# Altium PCB Thermostat.PCBDOC (part 4 of 5) (continued)
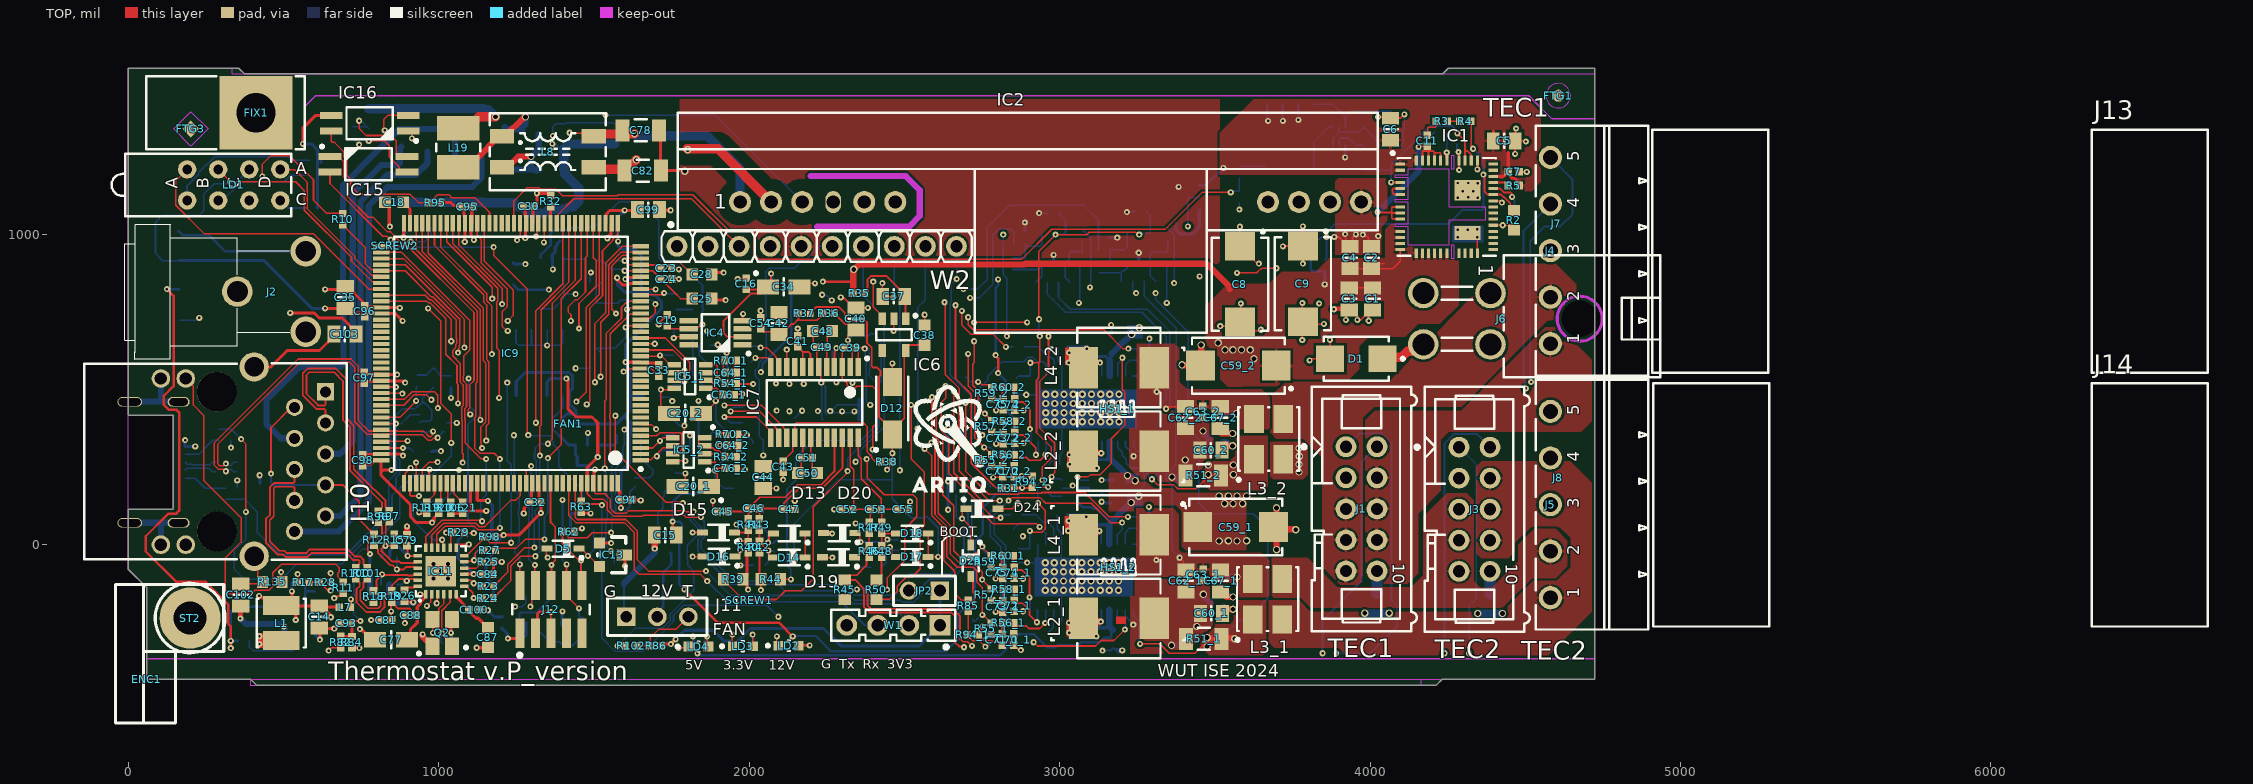
[diagram p0: TOP view]
## Nets (pads, with @x,y where several pads share a name; then routed paths per layer and width w, separated by ;. In a path a pad name is that pad's centre, name@x,y a point inside that pad or via, vN(x,y) a via of type N, cw(c..) or ccw(c..) an arc to the next point about the centre after c; other vN are vias at no path point) (continued)
  TOP w6: R37.2@2195.43,746.08 2195.43,746.86 2214.15,765.59 2290.08,765.59 2307.9,747.77 2307.9,739.45 2326.11,721.23 2374.33,721.23 2379.65,715.92 2379.65,650.03 2394.78,634.89 2394.78,575.28 2399.07,570.99 2411.92,570.99 2422.37,560.54 2422.37,545.76 2417.61,541 2417.61,413.35 D12.1@2460.97,369.98 ; D12.1@2460.97,355.22 D12.1@2460.97,369.98 ; C38.2@2549.3,628.15 C38.2@2565,643.85 2506.05,643.85 2506.05,628.15 IC6.5@2503.79,625.89 2499.49,621.59 2499.49,408.5 D12.1@2460.97,369.98
  BOT w5: v1(2145.67,-40.84) 2145.67,68.85 2286.06,209.24 2460.33,209.24 2460.97,208.6 ; v1(2460.97,295.1) 2460.97,208.6 ; v1(2608.65,-38.91) 2608.65,55.21 2573.61,90.24 2565,90.24 2562.35,87.6 2521.65,87.6 2460.97,148.28 2460.97,208.6
P3V3AVDD: C41.1 C42.1 C54.1 IC7.7 IC7.8 R36.2 R37.1 | length 470.3
  TOP w6: C54.1@2037,695.53 2046.2,686.32 2087.15,686.32 C42.1@2095.53,677.94 C42.1@2102.42,677.94 ; R37.1@2158.42,746.08 2158.42,727.04 ; IC7.8@2172.31,573.05 2172.31,621.78 ; IC7.7@2197.9,573.05 2197.9,613.53 2189.66,621.78 2172.31,621.78 ; R36.2@2238.34,745.38 2238.34,744.6 2217.27,723.52 2161.93,723.52 2158.42,727.04 ; C42.1@2102.42,677.94 2135.81,711.32 2142.7,711.32 2158.42,727.04 ; C42.1@2102.42,677.94 2133.52,646.83 2147.25,646.83 C41.1@2156.45,637.63 2172.31,621.78
P3V3DVDD: C43.1 C44.1 IC7.16 R38.1 | length 587.2
  TOP w5: C44.1@2045.22,252.74 2055.3,262.82 2102.32,262.82 C43.1@2109.21,269.7 2140.36,300.85 2140.36,338.34 IC7.16@2146.71,344.7 2146.71,387.31 2152.65,393.24 2367.18,393.24 2380.66,379.76 2380.66,298.11 2395.34,283.43 2395.34,278.69 2405,269.03 2424.5,269.03 R38.1@2424.5,268.24
P5V0: C1.2 C2.2 C3.2 C4.2 C10.2 C13.2 C26.1 C56_1.2 C56_2.2 C57_1.2 C57_2.2 C58_1.2 C58_2.2 C59_1.1 C59_2.1 C90_1.1 C90_2.1 IC1.12 IC1.13 IC1.14 IC1.15 IC1.16 IC1.17 IC1.18 IC1.19 IC1.20 IC1.21 IC3.4 IC8_1.1 IC8_1.9 IC8_1.11 IC8_1.18 IC8_1.20 IC8_2.1 IC8_2.9 IC8_2.11 IC8_2.18 IC8_2.20 IC10.5 IC14_1.5 IC14_2.5 IC18_1.5 IC18_2.5 R1.2 R35.1 R66.1 R82.1 R105.1 TP10.1 | length 10819.6
  TOP w5: v1(645.43,-340.71) 655.43,-330.71 683.27,-330.71 R82.1@684.05,-331.5 ; v1(2904.02,44.74) 2908,44.74 2912.14,40.6 2942.83,40.6 2952.99,50.76 2952.99,111.74 v1(2930.79,133.94) ; v1(2905.54,586.74) 2932.94,586.74 ; v1(2933.88,726.77) 2932.31,728.35 2932.31,905.67 2932.31,944.67 v1(2986.7,999.06) 3087.67,999.06 3095.71,1007.1 3244.36,1007.1 3252.4,999.06 v1(3256.37,999.06) ; v1(2936,672.24) 2936,589.8 2932.94,586.74 ; v1(2944.41,208.65) 2944.41,250.96 2972.22,278.78 2972.22,315.11 2925.44,361.89 2925.44,530.52 2932.94,538.02 2932.94,586.74 ; C3.2@3934.02,826.06 3935.45,827.5 C1.2@4008.02,827.5 ; C4.2@3947.02,891.06 3948.45,889.63 C2.2@4005.02,889.63 4073.34,889.63 4097.44,913.74 IC1.15@4097.44,950.79 ; C2.2@4016.05,905.67 4045.05,905.67
  TOP w8: v1(124.02,823.82) 145.66,802.17 145.66,511.13 114.86,480.33 114.86,450.67 131.02,434.51 155.4,434.51 163.47,426.45 163.47,110 153.1,99.64 128.07,99.64 56.22,27.79 56.22,-20.96 154.82,-119.57 249.44,-119.57 322,-192.13 322,-254.72 330,-262.72 v1(330,-309.21) v1(330,-332.68) ; v1@1831.09,-352.02 v1(1833.33,-349.78) ; v1(2237.18,847.9) 2334.69,847.9 2335.19,847.4
  TOP w20: R35.1@2335.19,810.2 2335.19,847.4 2335.19,884.6 2336.93,886.33 v3(2336.93,887.31) 2337.91,887.31 2353.74,903.15 2885.75,903.15 2888.27,905.67 2932.31,905.67 3474.01,905.67 3548.18,831.51 3548.18,823.88
  L2 w8: v1(330,-309.21) v1(330,-332.68) 351.95,-354.63 631.52,-354.63 v1(645.43,-340.71) 659.35,-354.63 1799.9,-354.63 1818.69,-335.83 v1(1818.69,-295.08) ; v1(1354.92,822.41) 1410.19,822.41 1414.06,826.27 1466.17,826.27 1486.78,805.66 1584.34,805.66 1585.77,807.09 1626.23,807.09 1627.66,805.66 1654.95,805.66 1690.97,841.68 1761.68,841.68 1766.2,837.16 2172.86,837.16 2196.78,861.09 2219.8,861.09 2230.84,850.05 2230.84,847.94 v1(2237.18,847.9)
  BOT w5: C58_2.2@2859.88,536.13 2867.61,543.86 IC8_2.1@2905.54,543.86 v1(2905.54,586.74) ; C58_1.2@2867.3,-10.72 2868.75,-12.18 2904.02,-12.18 IC8_1.1@2904.02,1.86 v1(2904.02,44.74) ; v1(2930.79,133.94) 2935.83,133.94 2929.85,127.95 2929.85,194.09 v1(2944.41,208.65) ; v1(2933.88,726.77) 2932.31,725.2 2932.31,675.94 v1(2936,672.24) ; v1(2986.7,999.06) 2987.64,1000 IC14_2.5@3017.72,1000 3018.85,1001.13 3018.85,1046.28 3015.92,1049.21 C90_2.1@2996.72,1068.38 ; C56_2.2@3159.77,596.46 3161.45,594.78 ; C57_2.2@3167.45,282.35 3167.45,292.54 ; C57_1.2@3171.38,-270.41 3171.38,-274.26 C57_1.2@3171.95,-274.83 ; 3265.22,1003.94 IC14_1.5@3292.32,1003.94 3292.32,1060.19 C90_1.1@3278.72,1073.8
  BOT w8: v1(124.02,823.82) 125,822.83 TP10.1@164.37,822.83 ; v1(330,-332.68) v1(330,-309.21) ; R105.1@352.62,-308.94 352.35,-309.21 v1(330,-309.21) ; IC3.4@464.57,-198.82 347.34,-198.82 330,-216.16 v1(330,-309.21) ; C26.1@1239.32,838.15 1255.06,822.41 IC10.5@1328.32,822.41 v1(1354.92,822.41) ; v1(1818.69,-295.08) 1821.06,-297.45 R66.1@1821.06,-326.77 1828.48,-334.19 1828.48,-341.77 1833.33,-346.62 v1(1833.33,-349.78) 1836.49,-349.78 1842.34,-355.63 2809.32,-355.63 2840.1,-324.85 ; 2839,-323.76 2839,-294.76 2845.18,-288.58 2917.47,-288.58 2958.79,-329.89 2987.13,-329.89 2993.69,-323.34 3058.9,-323.34 3068.18,-314.05 3129.21,-314.05 3134.48,-308.78 3134.48,-308.63 3144.39,-298.72 3162.76,-298.72 3166.37,-295.11 3166.37,-280.41 C57_1.2@3171.95,-274.83 ; IC18_2.5@3094.31,182.24 3093.31,183.24 3068.18,183.24 3058.9,173.96 3058.9,136.34 3073.63,121.61 3103.04,121.61 3108.75,115.9 3120.68,115.9 3159.93,76.65 C56_1.2@3159.93,65.64 ; R1.2@3809.06,948.03 3809.06,887.01 3814.17,881.89 C10.2@3853.88,881.89
  BOT w10: IC8_1.20@3108.75,-209.17 3108.75,-251.5 3124.14,-266.9 3152.68,-266.9 C57_1.2@3159.93,-259.65 ; IC8_1.9@3108.75,1.86 3108.52,2.09 3108.52,53.16 3120.14,64.79 3147.92,64.79 C56_1.2@3153.01,59.7 ; IC8_2.20@3110.27,332.83 3110.27,290.5 3125.66,275.1 3154.2,275.1 3161.45,282.35 C57_2.2@3167.45,282.35 ; IC8_2.9@3110.27,543.86 3110.04,544.09 3110.04,595.16 3121.66,606.79 3149.44,606.79 3159.77,596.46 C56_2.2@3162.71,596.46 ; v1(3853.88,839.02) C10.2@3853.88,881.89
  BOT w20: v3@2336.86,887.39 v3(2336.93,887.31) v3@2337,887.24 ; IC8_1.18@3159.93,-209.17 3159.93,-259.65 3159.93,-262.82 C57_1.2@3171.38,-274.26 ; IC8_1.11@3159.93,1.86 C56_1.2@3159.93,65.64 ; IC8_2.18@3161.45,332.83 3161.45,282.35 3161.45,279.65 3201.23,239.86 3201.71,239.86 v3(3218.76,222.81) ; IC8_2.11@3161.45,543.86 3161.45,594.78 ; C56_1.2@3165.93,73.41 3207.14,114.63 3208.55,114.63 3216.53,122.6 3216.8,122.6 v3(3230.34,136.15) 3243.88,149.69 ; C56_2.2@3167.45,613.64 3167.45,615.41 3208.66,656.63 3210.07,656.63 3218.05,664.6 3218.32,664.6 v3(3231.86,678.15) 3245.4,691.69
  other v3: 3513.78,12.35 3571.32,12.35 3543.31,13.24 3602.36,13.24 3531.35,132.76 3558.64,132.76 3589.43,132.76 3254.85,156.82 3513.78,156.82 3543.31,157.48 3571.32,157.48 3602.36,156.82 3243.12,206.72 3625.98,599.41 3532.6,628.22 3557.94,628.22 3585.87,628.22 3613.91,628.22 3510.54,650.5 3256.37,698.82
P5V0A: B21.1 C19.1 C20_1.1 C20_2.1 C76_1.1 C76_2.1 C91.1 IC4.6 IC5_1.1 IC5_1.2 IC5_2.1 IC5_2.2 R87.2 | length 1905
  TOP w5: C19.1@1736.22,705.71 1745.93,696 1804.98,696 IC4.6@1805.12,695.87 1811.48,702.22 1838.05,702.22 v1@1847.51,711.69 ; C20_2.1@1844.49,423.23 1855.32,423.23 1894.69,462.6 1895.67,462.6 1895.67,463.14 1898.97,466.44 1899.51,466.44 C76_1.1@1916.34,483.27 1895.67,503.94 1889.39,503.94 ; IC5_2.1@1856.3,267.72 1857.28,266.73 1890.1,266.73 ; IC5_2.2@1856.3,293.31 1887.04,293.31 1890,290.35 1890,266.83 1890.1,266.73 ; IC5_1.1@1860.24,503.94 1889.39,503.94 ; IC5_1.2@1860.24,529.53 1873.03,529.53 1882.26,520.3 1885,520.3 1889.39,515.9 1889.39,503.94 ; C20_1.1@1871.06,187.99 1875.62,187.99 1897.73,210.1 1897.73,228.18 1895.1,230.81 1895.1,231.17 1890,236.27 v1(1890,240.24) ; C76_2.1@1921.62,248.07 C76_2.1@1922.32,247.37 1900.27,247.37 1893.15,240.24 v1(1890,240.24) ; v1(1890,240.24) 1890.1,240.34 1890.1,266.73
  BOT w5: R87.2@1486.1,1021.65 1491.19,1026.74 1502.09,1026.74 1580.27,1104.92 1648.32,1104.92 1708.74,1044.5 1708.74,924.77 1718.55,914.96 1770.7,914.96 1849.5,836.16 1849.5,762 C91.1@1853.54,757.95 1849.5,753.91 v1(1849.5,709.7) 1817.76,677.96 1817.76,548.24 1890.01,475.98 1890.01,465.8 v1(1892.18,463.63) 1892.18,399.25 1910.04,381.39 1910.38,381.39 1922.51,369.26 1922.51,278.61 1902.11,258.21 1902.11,256.42 1897.73,252.04 1897.73,251.95 1890,244.22 v1(1890,240.24) 1890,210.82 1918.95,181.87 B21.1@1949.61,181.87
P12V0: C5.2 C6.2 C7.2 C15.2 D1.1 IC1.1 IC1.2 IC1.39 IC1.52 J2.3 J6.3 J6.4 R5.2 R13.1 R64.2 R83.2 R103.2 R109.2 R110.2 T1.1 T1.2 T1.3 T2.1 T3.2 TP7.1 | length 7152.1
  TOP w5: v1(3571.32,876.18) 3634.96,876.18 3647.11,888.33 3649.12,888.33 3651.86,891.06 v1(3697.92,891.06)
  TOP w8: v1(1753.12,75.18) 1753.12,43.32 C15.2@1765.13,31.31 ; v1(1791.34,-143.53) 1899.46,-251.65 2097.12,-251.65 2140.07,-294.61 v1(2140.29,-294.61) ; v1(2793.75,611.19) 2793.75,608.75 2801.83,600.66 v1(2801.83,553.15)
  TOP w10: IC1.39@4396.66,1187.01 4430.21,1187.01 C7.2@4444.87,1201.67 ; C5.2@4397.01,1305.22 4397.01,1333.17 ; 4444.87,1263.36 C7.2@4444.87,1201.67 ; R5.2@4481.09,1157.51 4481.09,1165.46 4467.08,1179.47 4459.89,1179.47 4444.87,1194.49 C7.2@4444.87,1201.67
  TOP w30: D1.1@4040.35,599.41 4045.4,604.46 4101.38,604.46 4120.31,623.38 4130.46,623.38 4152.74,645.67 J6.4@4171.26,645.67
  L2 w5: v1@3450.69,863 3558.14,863 v1(3571.32,876.18)
  L2 w8: v1(2037.5,556.15) 2212.77,556.15 2228.61,571.99 2412.33,571.99 2418.54,565.79 2478.67,565.79 2494.52,581.64 2764.2,581.64 v1(2793.75,611.19) 2834.78,611.19 2858.94,635.35 2858.94,763.57 2863.62,768.26 2968.87,768.26 2998.7,798.09 3085.04,798.09 3093.07,790.06 3320.81,790.06 3355.13,824.37 3628.86,824.37 v1@3696.73,892.25 ; v1(2801.83,855.18) 2818.22,871.57 3440.92,871.57
  BOT w8: TP7.1@161.42,1010.83 174.21,998.03 259.42,998.03 311.58,945.87 J2.3@571.85,945.87 ; v1(1791.34,-143.53) 1774.92,-127.11 1774.92,4.89 1783.46,13.44 T3.2@1783.46,65.47 1783.46,67.37 1775.65,75.18 v1(1753.12,75.18) 1753.12,137.97 1779.67,164.53 1830.09,164.53 1852.77,187.2 R103.2@1852.77,187.99 ; v1@2042.82,561.02 2042.82,582.19 2135.34,674.71 2135.34,813.48 R13.1@2112.2,836.61 ; R64.2@2109.25,-324.8 2112.96,-321.09 2112.96,-320.31 v1@2139.47,-293.79 ; v1@2140.29,-293.59 2214.27,-293.59 2263.31,-342.63 2633.97,-342.63 2672.63,-303.97 2672.63,-224.16 2725.9,-170.9 2725.9,8.71 2752.19,35.01 2752.19,118.53 2798.47,164.82 2829.91,164.82 2852.36,187.27 2852.36,409.09 2825.91,435.54 2825.91,529.08 v1(2801.83,553.15) ; v1(2793.75,611.19) 2793.75,827.56 2801.83,835.64 v1(2801.83,855.18) ; R83.2@3449.61,1159.03 3471.92,1159.03 v1(3527.27,1214.38) ; T1.1@3669,1418.54 3669,1371.37 3671.61,1368.75 v1(3671.61,1365.59) ; v1(3719,1365.59) T1.2@3719,1418.54 ; v1(3769,1368.75) T1.3@3769,1418.54 ; v1(3919.61,1247.84) 3920.68,1248.91 T2.1@3920.68,1285.14
  BOT w25: v3(3982.75,-220.01) R109.2@4022.26,-220.01 v3(4061.78,-220.01) ; v3(4346.92,-221.19) R110.2@4386.44,-221.19 v3(4425.95,-221.19)
  other v1: 3450.69,864.96
P12V0_POE: C8.1 C9.1 IC2.8 R89.2 T1.5 T1.6 T1.7 T1.8 T2.4 | length 606
  TOP w5: v1(3580.71,1024.61) C8.1@3580.71,961.61 3582.68,961.61 3626.44,917.85 3626.44,915.89 3633.84,908.48 3639.13,908.48 v1(3641.94,905.67) ; v1(3719,961.61) 3719.98,962.6 C9.1@3783.46,962.6 ; v1(3783.46,905.67) C9.1@3783.46,962.6 ; v1(3783.46,1025.76) C9.1@3783.46,962.6
  BOT w5: R89.2@3580.71,1220.02 3659.69,1220.02 3669,1210.7 T1.8@3669,1205.94 ; T1.5@3819,1205.94 3819,1299.24 3867.1,1347.35 T2.4@3881.32,1347.35
PC13: IC9.7 W2.9 | length 1513.7
  TOP w5: IC9.7@1650.59,390.75 1654.98,386.36 1686.54,386.36 v1(1700.22,372.67)
  L2 w5: v1(1700.22,372.67) 1778,372.67 1784.15,366.51 1798.74,366.51 1801.82,369.59 1812.04,369.59 1830.28,387.82 1905.59,387.82 1908.95,384.46 1952.25,384.46 1962.25,374.46 v1(2542.36,374.46)
  BOT w5: v1(2542.36,374.46) 2542.36,764.58 2567.51,789.72 W2.9@2567.51,961.61
PF11: IC9.49 W2.1 | length 529.9
  TOP w5: v1(1338.58,974.41) 1339.63,975.46 1339.63,1034.51 IC9.49@1340.55,1035.43
  L2 w5: v1(1338.58,974.41) 1341.28,977.11 1341.28,991.75 1354.43,1004.89 1625.06,1004.89 1668.34,961.61 W2.1@1767.52,961.61
PF12: IC9.50 W2.2 | length 639.2
  TOP w5: v1(1313.23,993.18) 1313.23,997.15 1317.43,1001.36 1317.43,1032 IC9.50@1320.87,1035.43
  L2 w5: v1(1313.23,993.18) 1334.94,1014.89 1629.2,1014.89 1651.7,992.39 1740.36,992.39 1750.55,1002.58 1784.49,1002.58 1794.67,992.39 1836.74,992.39 W2.2@1867.52,961.61
PF13: IC9.53 W2.4 | length 946.4
  TOP w5: v1(1252.13,981.5) 1252.13,985.48 1261.81,995.15 IC9.53@1261.81,1035.43
  L2 w5: v1(1252.13,981.5) 1255.34,981.5 1266,970.85 1285.73,970.85 1295.89,981.01 1295.89,1000.36 1320.41,1024.89 1633.34,1024.89 1655.84,1002.39 1736.22,1002.39 1746.41,1012.58 1788.63,1012.58 1798.82,1002.39 1850.36,1002.39 1850.55,1002.58 1884.49,1002.58 1884.67,1002.39 1950.36,1002.39 1950.55,1002.58 2026.56,1002.58 W2.4@2067.52,961.61
PHY_RD_N: D3.3 IC11.22 R18.2 R101.1 | length 439.9
  TOP w6: R101.1@769.69,-109.35 768.9,-109.35 760.49,-117.77 760.49,-118.71 757.91,-121.28 757.91,-131.78 757.64,-132.06 757.64,-137.66 746.96,-148.34 746.96,-164.36 746.96,-179.14 772.08,-204.26 805.32,-204.26 813.01,-196.57 813.01,-159.77 809.5,-156.25 798.22,-156.25 R18.2@789.8,-147.83 790.59,-147.83 799.01,-139.42 799.01,-114.01 v1(817.65,-95.37) 818.99,-96.71 899.1,-96.71 900.72,-98.33 917.99,-98.33 919.32,-97 929.57,-97 IC11.22@932.09,-94.49
  BOT w6: D3.3@813.76,-127.46 813.76,-98.89 817.27,-95.37 v1(817.65,-95.37)
PHY_RD_P: D3.1 IC11.23 R19.2 R100.1 | length 412.9
  TOP w6: R100.1@733.27,-110.12 734.06,-110.12 745.64,-121.71 745.64,-132.69 734.96,-143.37 734.96,-184.11 767.11,-216.26 810.29,-216.26 825.01,-201.54 825.01,-159.77 828.53,-156.25 839.8,-156.25 R19.2@848.22,-147.83 849.18,-146.88 849.18,-130.93 869.78,-110.33 887.21,-110.33 890.43,-113.55 893.53,-113.55 896.75,-110.33 917.99,-110.33 919.32,-111.66 929.57,-111.66 IC11.23@932.09,-114.17
  BOT w6: D3.1@864.94,-127.46 881.77,-127.46 893.05,-116.17 v1(896.75,-116.17)
PHY_RDR_N: J10.3 R101.2 | length 653.5
  TOP w6: J10.3@535.43,143.11 535.43,183.6 531.92,187.11 473.41,187.11 468.67,182.36 468.67,92.71 455.43,79.48 455.43,11.77 481.9,-14.7 486.06,-18.86 502.41,-18.86 506.24,-22.69 510.37,-26.82 572.72,-26.82 584.84,-14.7 707.21,-14.7 729.7,-37.19 746.77,-37.19 757.32,-47.73 757.32,-60.76 768.9,-72.34 R101.2@769.69,-72.34
PHY_RDR_P: J10.5 R100.2 | length 674
  TOP w6: J10.5@535.43,243.11 535.43,202.63 531.92,199.11 468.44,199.11 456.67,187.33 456.67,97.68 443.43,84.45 443.43,6.8 473.41,-23.19 481.4,-31.18 497.75,-31.18 505.4,-38.82 577.69,-38.82 589.81,-26.7 702.24,-26.7 719.46,-43.92 724.73,-49.19 741.8,-49.19 745.32,-52.7 745.32,-57.67 742.47,-60.52 742.47,-64.7 734.06,-73.12 R100.2@733.27,-73.12
PHY_TD_N: D3.4 IC11.20 R15.1 R97.1 | length 313.1
  TOP w6: R97.1@840.47,73.19 839.68,73.19 829.06,62.57 829.06,28.27 828.42,27.64 v1(828.42,-2.76) ; R15.1@856.64,-1.84 855.73,-2.76 v1(828.42,-2.76) ; IC11.20@932.09,-55.12 929.57,-57.63 919.32,-57.63 917.99,-58.96 877.64,-58.96 872.25,-53.56 848.54,-53.56 815.88,-20.9 815.88,-11.89 825.02,-2.76 v1(828.42,-2.76)
  BOT w6: D3.4@813.76,-40.84 818.63,-35.97 818.63,-16.25 828.42,-6.46 v1(828.42,-2.76)
PHY_TD_P: D3.6 IC11.21 R12.1 R96.1 | length 312.7
  TOP w6: R12.1@791.34,-2.76 R12.1@792.13,-2.76 ; R96.1@805.32,72.42 806.11,72.42 817.06,61.47 817.06,33.24 816.42,32.61 816.42,21.54 R12.1@792.13,-2.76 ; v1@864.9,-78.87 851.6,-65.56 843.57,-65.56 803.88,-25.87 803.88,-14.51 R12.1@792.13,-2.76 ; v1(864.94,-78.87) 887.42,-78.87 895.33,-70.96 917.99,-70.96 919.32,-72.29 929.57,-72.29 IC11.21@932.09,-74.8
  BOT w6: v1(864.94,-78.87) D3.6@864.94,-40.84
PHY_TDR_N: J10.8 R97.2 | length 846.7
  TOP w6: J10.8@635.43,393.11 635.43,433.6 631.92,437.11 606.62,437.11 562,481.72 562,552.12 577.98,568.1 668.04,568.1 683.48,552.66 687.72,548.42 703.51,532.63 703.51,407.06 726.18,384.38 726.18,243.92 758.41,211.69 828.74,141.36 828.74,121.15 839.68,110.2 R97.2@840.47,110.2
PHY_TDR_P: J10.10 R96.2 | length 787.7
  TOP w6: J10.10@635.43,493.11 635.43,452.63 631.92,449.11 611.59,449.11 574,486.69 574,547.15 582.95,556.1 663.07,556.1 691.51,527.66 691.51,402.09 714.18,379.41 714.18,238.95 745.68,207.45 816.74,136.39 816.74,120.06 806.11,109.43 R96.2@805.32,109.43
POE_IN1: D7.2 D23.1 J10.7 | length 1590.5
  BOT w20: J10.7@535.43,343.11 490.55,343.11 445.28,388.39 445.28,467.91 550.2,572.83 682.09,572.83 693.1,583.85 693.1,786.4 691.93,787.57 691.93,797.14 693.1,798.31 693.1,847.36 691.93,848.53 691.93,1158.77 797.69,1264.52 822.09,1288.92 822.09,1289.17 872.49,1339.57 1036.42,1339.57 1053.15,1322.83 D23.1@1053.15,1236.22
POE_IN2: D6.1 D10.2 J10.2 | length 1391.4
  BOT w20: J10.2@635.43,93.11 682.68,93.11 747.64,158.07 747.64,1104.92 834.67,1191.95 926.01,1191.95 962.4,1228.35 963.58,1228.35 D10.2@963.58,1266.73
POE_IN3: D8.1 D11.2 J10.6 | length 1140.8
  BOT w20: J10.6@635.43,293.11 682.87,293.11 722.64,332.87 722.64,1131.1 814.96,1223.43 D8.1@868.11,1223.43 ; D8.1@874.02,1229.33 874.02,1277.56 D11.2@878.94,1282.48
POE_IN4: D9.1 D22.2 J10.1 | length 1713.7
  BOT w20: J10.1@535.43,43.11 677.95,43.11 774.41,139.57 774.41,941.93 ; 774.61,943.9 774.61,1092.52 835.24,1153.15 1107.87,1153.15 1137.8,1183.07 1137.8,1264.76 D22.2@1138.78,1265.75
POE_PWR_SRC: IC9.54 R89.1 R90.2 | length 2700.8
  TOP w5: IC9.54@1242.13,1035.43 1242.13,1107.88 1284.26,1150.02 1323.04,1150.02 1326.97,1146.09 1377.21,1146.09 1398.62,1124.67 1575.05,1124.67 1577.94,1127.57 1818.41,1127.57 1936.21,1009.77 2013.36,1009.77 2016.29,1006.84 2016.29,936.24 2031.88,920.65 2878.5,920.65 2974.25,1016.41 2993.88,1016.41 2994.31,1015.98 3090.45,1015.98 3091.57,1017.1 3340.72,1017.1 3458.92,1135.31 v1(3551.31,1135.31)
  BOT w5: v1(3551.31,1135.31) 3555.16,1135.31 3559.27,1139.42 R90.2@3578.98,1139.42 3578.98,1181.28 R89.1@3580.71,1183.01
POE_VC+: D7.1 D10.1 D11.1 D22.1 L19.1 R140.2 | length 554.9
  TOP w30: L19.1@1062.99,1342.52 1087.36,1366.89 1117.21,1366.89 1129.48,1379.15 v3(1183.07,1379.15)
  BOT w30: R140.2@774.61,1404.53 872.05,1404.53 D11.1@874.02,1406.5 ; D11.1@874.61,1405.51 D22.1@1143.7,1405.51 1146.81,1402.4 1159.82,1402.4 v3(1183.07,1379.15)
POE_VC-: D6.2 D8.2 D9.2 D23.2 R146.1 R166.1 R184.1 T7.2 | length 1675.6
  L2 w5: v1(743.51,1289.37) 761.84,1289.37 767.23,1283.98 781.59,1283.98 786.98,1289.37 894.53,1289.37 902.19,1281.71 924.84,1281.71 932.18,1289.05 1269.8,1289.05 1270.12,1289.37 1342.52,1289.37 1344.86,1291.71 v1(1365.98,1291.71)
  BOT w5: R146.1@722.64,1310.24 723.43,1310.24 732.34,1301.32 732.34,1300.53 v1(743.51,1289.37) ; v1(1365.98,1291.71) 1375.18,1291.71 1391.33,1275.57 1391.88,1276.12 1403.11,1276.12 T7.2@1412.42,1285.43
  BOT w30: D8.2@874.02,1103.35 965.55,1103.35 1055.12,1103.35 D9.2@1142.72,1103.35 ; D9.2@1142.72,1102.36 1242.85,1102.36 1256.99,1088.23 1269.49,1088.23 1289.26,1068.46 1342.45,1068.46 1354.92,1080.93 1407.86,1080.93 1415.16,1088.23 1433.45,1088.23 1451.02,1105.8 1451.02,1149.63 1406.26,1194.39 1406.26,1205.75 R166.1@1402.56,1209.45 1402.56,1275.57 T7.2@1403.11,1276.12 ; T7.2@1412.42,1285.43 1414.9,1285.43 1420.81,1291.34 1491.14,1291.34 R184.1@1567,1291.34
PWM_maxINeg0: B1.1 IC9.66 R55_2.1 | length 2489
  TOP w5: IC9.66@1005.91,1035.43 1005.91,959.1 1154.96,810.04 1154.96,786.04 1171.26,769.74 1171.26,615.98 v1@1173.07,614.17 ; v1(2705.24,615.11) 2705.24,512 2727,490.24 2727,343.94 v1(2756.87,314.08) 2780.09,290.85 R55_2.1@2780.88,290.85
  L2 w5: v1(1171.26,614.17) 1172.46,615.37 1395.45,615.37 1395.95,615.88 1613.36,615.88 1636.35,592.89 1964.98,592.89 1991.85,619.76 2028.22,619.76 2030.69,617.29 2094.04,617.29 2109.74,601.59 2398.75,601.59 2412.26,615.11 v1(2705.24,615.11)
  BOT w5: v1(2756.87,314.08) 2776.47,314.08 B1.1@2814.96,275.59
PWM_maxINeg1: B8.1 IC9.67 R55_1.1 | length 2973.2
  TOP w5: IC9.67@986.22,1035.43 986.22,964.64 1144.96,805.9 1144.96,781.9 1153.92,772.94 1153.92,597.2 1161.26,589.86 1161.26,391.28 1153.02,383.04 v1(1153.02,335.67) ; v1(2586.61,329.72) 2586.61,328.81 2598.42,317 2598.42,98.01 2636.97,59.46 2636.97,-38.64 2670.18,-71.85 2721.37,-71.85 2732.79,-83.27 2732.79,-119.38 2750.98,-137.58 v1(2750.98,-225.8) ; v1@2752.11,-224.68 2778.58,-251.15 R55_1.1@2779.36,-251.15
  L2 w5: v1(1153.02,335.67) 1336.76,335.67 1344.26,343.17 1413.12,343.17 1422.78,333.5 1574.66,333.5 1593.15,351.99 1719.78,351.99 1736.87,334.9 1858.1,334.9 1861.79,338.59 1983.02,338.59 1985.56,336.05 2407.87,336.05 2414.19,329.72 v1(2586.61,329.72)
  BOT w5: B8.1@2719.72,-240.35 B8.1@2719.72,-245.85 2726.96,-245.85 2747.01,-225.8 v1(2750.98,-225.8)
PWM_maxIPos0: B2.1 IC9.60 R57_2.1 | length 2293.9
  TOP w5: IC9.60@1124.02,1035.43 1124.02,995.98 1136.81,983.19 1136.81,907.74 1221.2,823.35 1221.2,768.13 1204.82,751.76 1204.82,703.64 1219.43,689.03 v1(1222.17,689.03) ; v1(2724.35,655.79) 2724.35,586.37 2719.86,581.88 2719.86,514.38 2738.37,495.88 2738.37,443.08 2759.01,422.44 2781.09,400.35 R57_2.1@2781.88,400.35
  L2 w5: v1(1222.17,689.03) 1435.09,689.03 1451.22,672.9 1634.99,672.9 1639.61,677.52 1715.23,677.52 1721.39,683.68 1791.11,683.68 1803.1,671.69 1872.82,671.69 1883.15,682.03 2146.78,682.03 2149.44,679.37 2218.35,679.37 2226.82,670.9 2305.28,670.9 2313.75,679.37 2423.12,679.37 2444.19,658.3 2721.85,658.3 v1(2724.35,655.79)
  BOT w5: v1(2759.16,422.6) 2770.52,411.24 2797.42,411.24 B2.1@2814.96,393.7
PWM_maxIPos1: B9.1 IC9.64 R57_1.1 | length 2824.3
  TOP w5: IC9.64@1045.28,1035.43 1045.28,970.99 1189.64,826.63 1189.64,785.63 1186.51,782.5 1186.51,633.97 1194.63,625.85 v1(1194.63,473.35) ; v1(2588.82,475.3) 2588.82,359.5 2608.82,339.5 2608.82,101.75 2646.97,63.6 2646.97,-28.24 2680.58,-61.85 2725.51,-61.85 2750.13,-86.47 2750.13,-111.29 2749.68,-111.75 v1(2750.13,-112.2) 2779.58,-141.65 R57_1.1@2780.36,-141.65
  L2 w5: v1(1194.63,473.35) 1195.26,473.35 1207.21,485.3 1342.96,485.3 1345.69,488.03 1451.47,488.03 1456.33,483.17 1596.68,483.17 1597.34,482.51 1722.73,482.51 1739.22,499 1802.66,499 1806.54,502.87 1989.38,502.87 2021.03,471.22 2371.53,471.22 2378.44,478.13 2455.62,478.13 2455.9,478.4 2552.03,478.4 2555.13,475.3 v1(2588.82,475.3)
  BOT w5: v1(2750.13,-112.2) 2766.36,-128.43 2766.36,-129.1 2775.59,-138.34 B9.1@2775.59,-147.64
PWM_maxV0: B4.1 IC9.96 R59_2.1 | length 2083.2
  TOP w5: IC9.96@813.98,508.86 814.45,508.39 861.78,508.39 v1(862.25,507.92) ; v1(2737.2,524.65) 2741.18,524.65 2750.13,515.7 2771.96,515.7 R59_2.1@2780.88,506.79
  L2 w5: v1(862.25,507.92) 864.87,505.3 1011.34,505.3 1014.07,508.03 1166.36,508.03 1169.09,505.3 1304.81,505.3 1307.55,508.03 1459.76,508.03 1461.46,506.33 1511.05,506.33 1545.43,540.7 1720.1,540.7 1723.07,543.68 1798.52,543.68 1801.1,546.26 1866.6,546.26 1871.2,550.86 2012.14,550.86 2061.77,501.22 2353.59,501.22 2360.49,508.13 2384.85,508.13 2410.23,533.51 2726.93,533.51 2735.79,524.65 v1(2737.2,524.65)
  BOT w5: B4.1@2696.85,541.34 2697.78,541.34 2714.47,524.65 v1(2737.2,524.65)
PWM_maxV1: B10.1 IC9.97 R59_1.1 | length 2575
  TOP w5: IC9.97@813.98,489.17 814.94,488.21 881.96,488.21 v1(882.92,487.25) ; v1(2610.75,493.53) 2610.75,468.54 2603,460.79 2603,364.22 2623.41,343.82 2623.41,161.4 2659.07,125.73 2659.07,-18.81 2681.6,-41.34 2715.55,-41.34 2750.13,-6.76 2778.58,-35.21 R59_1.1@2779.36,-35.21
  L2 w5: v1(882.92,487.25) 1007.44,487.25 1018.22,498.03 1162.22,498.03 1164.95,495.3 1308.95,495.3 1311.69,498.03 1455.62,498.03 1457.32,496.33 1686.24,496.33 1707.11,517.19 1775.96,517.19 1784.16,509 1798.52,509 1802.4,512.87 1993.52,512.87 2025.17,481.22 2367.39,481.22 2374.3,488.13 2393.54,488.13 2398.94,493.53 v1(2610.75,493.53)
  BOT w5: v1(2750.98,-5.87) 2753.79,-8.68 2753.79,-17.57 B10.1@2775.59,-39.37
REF_GND: NT1.2 R80_1.1 R80_2.1 | length 2091.3
  L2 w5: v1(1751.97,463.12) 1752.06,463.12 1765.92,476.98 1816.02,476.98 1820.01,480.97 1927.3,480.97 1996.46,411.8 2619.69,411.8 2706.88,499 2772.62,499 2913.39,639.76 2956.37,639.76 3011.81,695.21 3011.81,729.06 v1(3062,779.24) 3073.53,767.72 3332,767.72 v1@3343.53,779.24
  BOT w5: NT1.2@1732.28,475.98 1739.63,475.98 ; 1742.28,475.98 1751.97,466.3 v1(1751.97,463.12) ; v1(3062,779.24) 3064.11,781.36 3064.11,896 3073.03,904.92 R80_2.1@3073.82,904.92 ; v1(3345,779.24) 3345,904.06 R80_1.1@3346.46,905.51
RMII_CRS_DV: IC9.43 R27.1 | length 1238.4
  TOP w5: R27.1@1183.19,-16.85 1189.5,-10.54 1250.29,-10.54 1278.4,17.57 v1(1340.55,17.57) ; v1(1351.44,279.56) 1394.02,322.14 1394.02,792.76 1458.66,857.4 IC9.43@1458.66,1035.43
  BOT w5: v1(1340.55,17.57) 1340.55,89.84 1351.44,100.74 v1(1351.44,279.56)
RMII_MDC: B16.1 IC9.27 IC11.13 | length 1468
  TOP w5: IC11.13@1056.1,-9.84 1056.1,-1.77 1059.11,1.24 v1(1096.46,1.24) ; v1(1534.52,246.1) 1534.52,463.05 1538.93,467.45 1538.93,680.43 1588.66,730.16 1588.66,765.43 1607.68,784.45 IC9.27@1650.59,784.45
  L2 w5: v1(1096.46,1.24) 1214.18,1.24 1225.96,-10.54 1281.58,-10.54 1300.74,8.62 1324.98,8.62 1345.28,-11.68 1549.75,-11.68 1555.19,-17.12 v1(1555.19,-19.66)
  BOT w5: v1(1534.52,246.1) 1537.09,243.53 1537.09,167.66 1542.93,161.81 1542.93,82.72 1537.77,77.56 1537.77,-2.24 v1(1555.19,-19.66) 1555.19,-20.17 1564.96,-29.94 B16.1@1564.96,-59.06